# Altium PCB Arduino_UNO_Rev3_PCB_copy.PcbDoc (part 2 of 2)
Units mm, origin at the board's own origin, x right, y up, seen from the top; angles counter-clockwise.
Board outline 68.58 x 53.34 mm, 2 copper layers (L1, L2), stack 1.671 mm thick; 106 components, 71 nets, 323 pads, 96 vias.
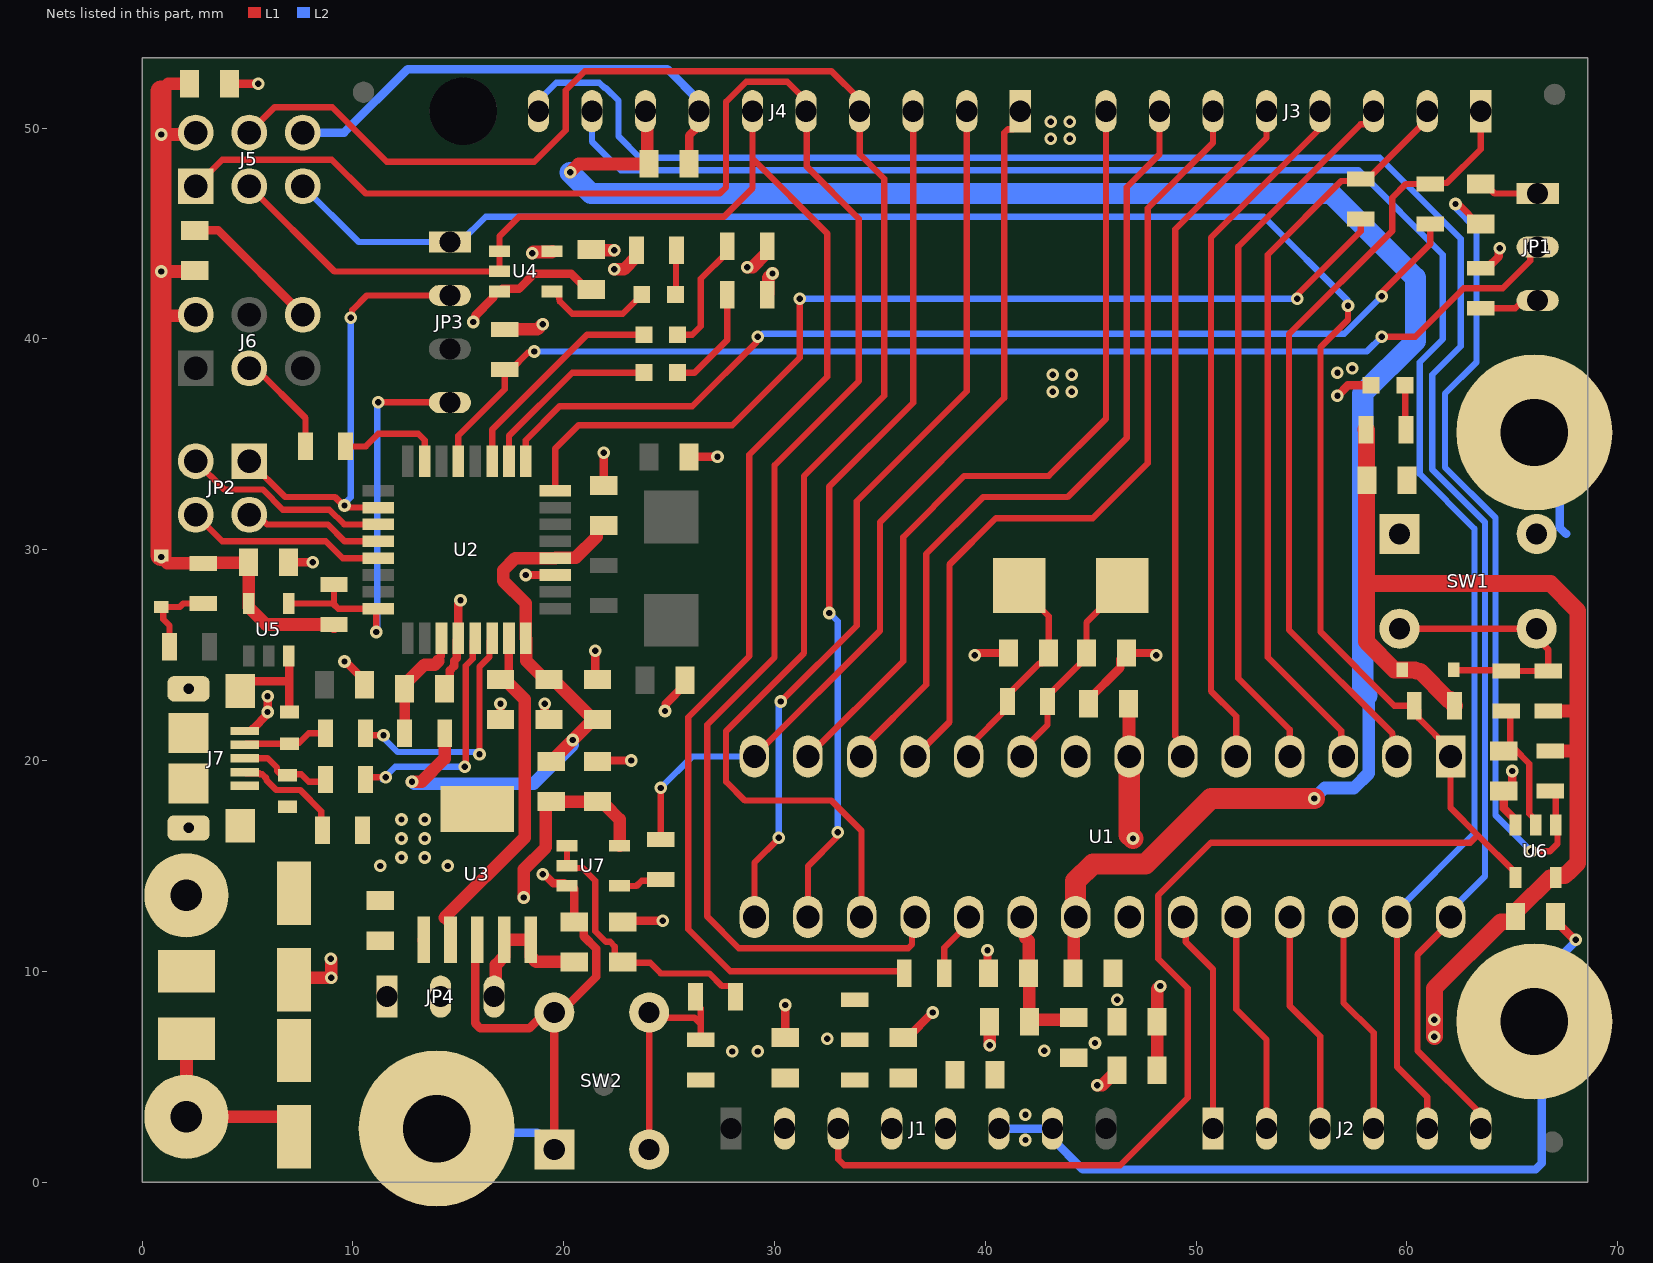
[diagram p2: the nets of this part, all layers, seen from the top]

## Via types
v1: diameter 0.6, hole 0.3, L1 to L2, 96 vias

## Nets (pads, with @x,y where several pads share a name; then routed paths per layer and width w, separated by ;. In a path a pad name is that pad's centre, name@x,y a point inside that pad or via, vN(x,y) a via of type N, cw(c..) or ccw(c..) an arc to the next point about the centre after c; other vN are vias at no path point) (continued)
16U2_PB4: JP2.1 JP3.2 U2.18 | length 21.3
  L1 w0.3: JP2.1@5.08,34.2 6.78,32.5 9.15,32.5 v1@9.575,32.075 ; v1@9.65,32 U2.18@11.2,32 ; v1(9.9,41) 9.957,41.057 9.957,41.357 10.66,42.06 JP3.2@14.6,42.06
  L2 w0.3: v1(9.6,32.1) 9.6,32.181 9.9,32.481 v1(9.9,41)
16U2_PB5: JP2.3 U2.19 | length 9.9
  L1 w0.3: JP2.3@2.54,34.2 3.88,32.86 5.713,32.86 6.673,31.9 8.881,31.9 9.581,31.2 U2.19@11.2,31.2
16U2_PB6: JP2.2 U2.20 | length 6.6
  L1 w0.3: JP2.2@5.08,31.66 5.459,31.66 5.919,31.2 8.8,31.2 9.6,30.4 U2.20@11.2,30.4
16U2_PB7: JP2.4 U2.21 | length 9.5
  L1 w0.3: JP2.4@2.54,31.66 3.8,30.4 8.71,30.4 9.51,29.6 U2.21@11.2,29.6
16U2_RESETn: JP3.4 R4.1 U2.24 U5.4 | length 20.9
  L1 w0.3: U5.4@6.95,27.45 9.05,27.45 9.1,27.4 ; R4.1@9.1,28.35 9.1,27.4 ; v1(11.1,26.1) 11.1,27.1 U2.24@11.2,27.2 11.075,27.325 10.95,27.2 9.3,27.2 9.1,27.4 ; v1(11.2,37) 11.21,36.99 14.59,36.99 JP3.4@14.6,36.98
  L2 w0.3: v1(11.1,26.1) 11.15,26.15 11.15,36.95 v1(11.2,37)
16U2_RX_LED: D4.1 U2.10 | length 8.8
  L1 w0.3: U2.10@17.4,34.2 17.4,35.4 20.4,38.4 D4.1@23.8,38.4
16U2_RXD: R11.1 U2.8 | length 46.8
  L1 w0.3: U2.8@19.6,32.8 19.6,34.8 20.7,35.9 28,35.9 31.2,39.1 v1(31.2,41.9) ; v1(54.8,41.9) 54.8,42.1 57.813,45.113 R11.1@57.813,45.688
  L2 w0.3: v1(31.2,41.9) v1(54.8,41.9)
16U2_SCLK: J6.3 R5.2 | length 5
  L1 w0.3: J6.3@5.08,38.608 5.392,38.608 7.75,36.25 R5.2@7.75,34.9
16U2_SCLK_R: R5.1 U2.15 | length 5.1
  L1 w0.3: R5.1@9.65,34.9 10.6,34.9 11.2,35.5 13.1,35.5 13.4,35.2 U2.15@13.4,34.2
16U2_TX_LED: D3.1 U2.11 | length 10.6
  L1 w0.3: U2.11@16.6,34.2 16.6,35.7 21.1,40.2 D3.1@23.8,40.2
16U2_TXD: R10.1 U2.9 | length 48.9
  L1 w0.3: U2.9@18.2,34.2 18.2,35.2 19.8,36.8 26.1,36.8 29.143,39.843 29.143,40.043 v1(29.2,40.1) ; v1(58.8,42.025) 58.8,42.2 61.1,44.5 R10.1@61.1,45.45
  L2 w0.3: v1(29.2,40.1) 29.281,40.1 29.431,40.25 57.025,40.25 v1(58.8,42.025)
16U2PROG_328P_RESETn: JP1.2 R1.1 U2.13 | length 56.9
  L1 w0.3: U2.13@15,34.2 15,35.412 17.2,37.613 R1.1@17.2,38.55 17.5,38.55 18.293,39.343 18.543,39.343 v1(18.6,39.4) ; v1(58.8,40.1) 60.4,40.1 62.7,42.4 64.545,42.4 65.85,43.705 65.85,44.037 66.173,44.36 JP1.2@66.2,44.36
  L2 w0.3: v1(18.6,39.4) 58.1,39.4 v1(58.8,40.1)
328P_16MHZ_XTAL1: C27.2 R16.1 U1.9 Y1.1 | length 10.1
  L1 w0.3: U1.9@41.745,20.193 41.745,20.493 42.95,21.698 R16.1@42.95,22.8 42.95,23.1 43.15,23.3 43.2,23.3 44.8,24.9 C27.2@44.8,25.1 44.8,26.55 46.5,28.25 Y1.1@46.5,28.3
328P_16MHZ_XTAL2: C25.2 R16.2 U1.10 Y1.2 | length 10.3
  L1 w0.3: U1.10@39.205,20.193 39.205,20.655 41.05,22.5 R16.2@41.05,22.8 41.05,23.1 42.55,24.6 42.7,24.6 43,24.9 C25.2@43,25.1 43,26.85 41.6,28.25 Y1.2@41.6,28.3
328P_AUTORESETn: C11.1 R18.1 U6.1 | length 39.1
  L1 w0.3: v1(62.3,46.4) 62.45,46.4 63.45,45.4 C11.1@63.5,45.45 ; v1(65.9,15.7) 66.787,15.7 67.143,16.055 67.143,16.857 U6.1@67.05,16.95 67.05,18.6 R18.1@67.1,18.65
  L2 w0.3: v1(62.3,46.4) 62.3,46.216 63.3,45.216 63.3,38.9 61.8,37.4 61.8,33.914 64.2,31.514 64.2,17.4 v1(65.9,15.7)
328P_BUF_RESETn: C32.2 R24.2 U6.2 | length 6
  L1 w0.3: R24.2@64.9,22.35 64.9,20.55 65.1,20.55 65.8,19.85 65.8,17.475 66.1,17.175 U6.2@66.1,16.95
328P_RESETn: J1.3 J5.5 JP3.1 R14.1 U1.1 U6.4 | length 131.1
  L1 w0.3: J1.3@33.02,2.54 33.02,1.08 33.3,0.8 46.4,0.8 49.6,4 49.6,9.2 48.2,10.6 48.2,13.6 50.7,16.1 63,16.1 63.362,16.462 ; v1(57.2,41.575) 57.2,40.9 55.9,39.6 55.9,26.1 59.4,22.6 R14.1@60.35,22.6 60.55,22.4 60.55,22.008 62.065,20.493 U1.1@62.065,20.193 62.065,17.76 63.362,16.462 ; U6.4@65.15,14.45 65.15,14.675 63.362,16.462
  L2 w0.3: J5.5@7.62,47.244 10.264,44.6 JP3.1@14.6,44.6 15.1,44.6 16.3,45.8 53.2,45.8 57.2,41.8 v1(57.2,41.575)
+3V3: C13.2 C16.2 J1.4 JP4.3 R28.2 U3.4 U3.5 | length 7.1
  L1 w0.6: JP4.3@16.7,8.8 16.777,8.877 16.777,10.307 17.17,10.7 U3.4@17.17,11.5 U3.5@18.44,11.5 18.44,10.7 18.69,10.45 C13.2@20.5,10.45
+3V3_16U2_UCAP: C7.2 R26.1 U2.27 | length 5.5
  L1 w0.4: 14.05,24.719 14.05,24.828 14.175,24.953 14.175,25.775 U2.27@14.2,25.8
  L1 w0.5: R26.1@12.45,21.3 C7.2@12.45,23.6
  L1 w0.6: C7.2@12.45,23.6 13.4,24.55 13.882,24.55 14.05,24.718 14.05,24.719
+5V: C6.1 C12.2 C14.2 CP2.1 J1.5 J8.1 JP4.1 L1.2 R27.1 U2.31 U3.1 U3.2 | length 26.3
  L1 w0.4: C6.1@17.2,23.85 17.4,24.05 U2.31@17.4,25.8
  L1 w0.6: L1.2@2.1,6.8 J8.1@2.1,3.1 6.7,3.1 7.2,2.6 CP2.1@7.2,2.15 ; JP4.1@11.42,9 JP4.1@11.62,8.8 ; U3.1@13.36,11.45 U3.1@13.36,11.5 ; U3.2@14.63,11.5 14.63,12.3 14.381,12.549 14.349,12.549 18.15,16.35 18.15,22.9 C6.1@17.2,23.85
+5V/3V3: C8.2 C15.2 C17.2 C26.2 C28.2 C29.2 C30.2 C34.2 D5.1 D6.1 FB1.1 FB2.1 FB3.1 J1.2 J5.2 J6.2 JP4.2 R1.2 R2.2 R3.2 R4.2 R14.2 R15,.2 R17.2 R18.2 R19.2 R20.2 R21.2 R27.2 R28.1 U4.5 U5.5 U6.5 U7.5 | length 112.3
  L1 w0.6: D5.1@0.9,29.719 v1(0.9,29.651) 1.201,29.35 R19.2@2.9,29.35 2.925,29.375 4.975,29.375 C30.2@5.05,29.3 ; 0.9,41.1 2.492,41.1 J6.2@2.54,41.148 J6.2@2.52,41.168 ; v1(0.9,43.2) 2.45,43.2 C8.2@2.5,43.25 C8.2@2.52,43.23 ; v1(0.9,49.7) 2.456,49.7 J5.2@2.54,49.784 ; 0.9,51.749 1.251,52.1 C17.2@2.25,52.1 ; C30.2@5.05,29.4 C30.2@5.05,29.3 ; R4.2@9.1,26.35 9,26.45 5.875,26.45 5.05,27.275 U5.5@5.05,27.45 C30.2@5.05,29.3 ; R1.2@17.2,40.45 18.75,40.45 v1(19,40.7) ; v1(18.1,13.5) 18.1,14.831 19.15,15.881 19.15,18 19.2,18.05 FB1.1@19.4,18.05 C29.2@21.6,18.05 21.75,17.9 21.95,17.9 22.65,17.2 U7.5@22.65,15.95 ; v1(18.5,44.065) 18.56,44.125 19.425,44.125 U4.5@19.45,44.15 ; C26.2@21.3,44.25 21.35,44.2 v1(22.4,44.2) ; v1(22.4,43.3) 22.85,43.3 23.45,43.9 23.45,44.2 ; v1(28.7,43.4) 28.95,43.4 29.6,44.05 29.6,44.35 R2.2@29.65,44.4 ; R3.2@29.65,42.1 29.7,42.15 29.7,42.9 v1(29.9,43.1) ; v1(40.2,6.5) FB3.1@40.2,7.6 ; v1(45.3,4.6) 45.55,4.6 FB2.1@46.25,5.3 ; R20.2@66.7,22.35 68.1,22.35 ; R18.2@66.8,20.45 68.1,20.45
  L1 w0.8: R17.2@58.05,35.7 58.075,35.675 58.075,28.4 ; v1(61.3,6.9) v1(61.3,7.7) 61.3,9.2 64.45,12.35 65.1,12.35 65.15,12.4 C28.2@65.15,12.6 ; R14.2@62.25,22.6 62.2,22.65 62.2,22.758 62.058,22.9 61.95,22.9 60.613,24.237 60.444,24.237 60.381,24.3 D6.1@59.781,24.3 59.408,24.3 58.075,25.633 58.075,28.4 ; C28.2@65.3,12.95 66.775,14.425 67.025,14.425 67.15,14.55 67.484,14.55 67.609,14.675 67.631,14.675 68.1,15.144 68.1,20.45 68.1,22.35 68.1,27.1 66.8,28.4 58.075,28.4
  L1 w1: D5.1@0.9,29.719 0.9,41.1 v1(0.9,43.2) v1(0.9,49.7) 0.9,51.749
  other v1: 28,6.2 29.2,6.2 32.5,6.8
+5V/3V3_16U2: C3.2 C4.2 C5.2 FB1.2 R26.2 U2.4 U2.32 | length 30.1
  L1 w0.6: v1(12.8,19) 13.262,19 14.35,20.088 R26.2@14.35,21.3 ; FB1.2@19.2,19.95 19.35,20.1 19.55,20.1 v1(20.425,20.975) C3.2@21.4,21.95 ; C3.2@21.6,21.95 C3.2@21.4,21.95 ; C5.2@21.9,31.15 21.7,31.15 21.55,31 21.55,30.607 20.568,29.625 19.625,29.625 U2.4@19.6,29.6 17.7,29.6 17.124,29.024 17.124,28.526 18.2,27.45 U2.32@18.2,25.8 18.225,25.775 18.225,24.725 18.95,24 19.15,24 C4.2@19.3,23.85 19.5,23.85 C3.2@21.4,21.95
  L2 w0.6: v1(12.8,19) 12.9,18.9 18.575,18.9 20.425,20.75 v1(20.425,20.975)
+5V/3V3_328P_AVCC: C22.2 C23.2 FB3.2 U1.20 | length 7.3
  L1 w0.6: U1.20@41.745,12.573 41.898,12.42 41.898,11.602 42.05,11.45 C23.2@42.05,9.9 42.075,9.875 42.075,7.625 FB3.2@42.1,7.6 42.2,7.7 44.1,7.7 C22.2@44.2,7.8
+5V/3V3_328P_VCC: C19.2 C20.2 FB2.2 U1.7 | length 10.5
  L1 w0.6: C20.2@46.8,22.7 46.812,22.688 U1.7@46.812,20.206 ; FB2.2@48.15,5.3 48.15,9.15 v1(48.3,9.3)
  L1 w1: U1.7@46.812,20.206 U1.7@46.825,20.193 46.825,16.475 v1(47,16.3)
+5V_USB: CP1.1 J7.1 L1.1 | length 4.4
  L1 w0.4: J7.1@5.25,21.5 5.95,22.2 v1(5.95,23.05)
  L1 w0.6: CP1.1@7.3,9.7 v1(8.975,9.7) v1@8.975,10.575
  other v1: 8.95,10.6 5.95,22.3
+AREF: C21.2 C24.2 J4.8 U1.21 | length 93.5
  L1 w0.6: v1(20.3,47.9) 20.7,48.3 23.9,48.3 23.9,48.4 23.963,48.463 23.953,48.473 23.953,50.723 J4.8@23.876,50.8 ; C24.2@44.15,10.05 44.2,10.1 U1.21@44.2,12.488
  L1 w1: U1.21@44.2,12.488 U1.21@44.285,12.573 44.285,14.285 45.1,15.1 47.6,15.1 50.7,18.2 v1(55.6,18.2)
  L2 w0.6: v1(55.6,18.2) 56.093,18.693 57.482,18.693 58.185,19.396 58.185,23.008 58.1,23.093
  L2 w1: v1(20.3,47.9) 21.3,46.9 56.4,46.9 60.4,42.9 60.4,39.9 57.9,37.4 57.9,23.293 58.1,23.093
AD0: J2.1 U1.23 | length 10.6
  L1 w0.3: U1.23@49.365,12.573 49.509,12.429 49.509,11.391 50.8,10.1 J2.1@50.8,2.54
AD1: J2.2 U1.24 | length 10.6
  L1 w0.3: U1.24@51.905,12.573 51.9,12.568 51.9,8.2 53.34,6.76 J2.2@53.34,2.54
AD2: J2.3 U1.25 | length 10.6
  L1 w0.3: U1.25@54.445,12.573 54.445,8.355 55.88,6.92 J2.3@55.88,2.54
AD3: J2.4 U1.26 | length 10.6
  L1 w0.3: U1.26@56.985,12.573 56.985,8.515 58.42,7.08 J2.4@58.42,2.54
AD4/SDA: J2.5 J4.9 U1.27 | length 89.1
  L1 w0.3: U1.27@59.525,12.573 59.525,5.475 60.96,4.04 J2.5@60.96,2.54
  L2 w0.3: J4.9@21.336,50.8 21.336,49.364 22.7,48 57.7,48 61.7,44 61.7,39.992 60.6,38.892 60.6,33.595 63.2,30.995 63.2,16.548 59.525,12.873 U1.27@59.525,12.573
AD5/SCL: J2.6 J4.10 U1.28 | length 95
  L1 w0.3: U1.28@62.065,12.573 62.065,12.365 60.5,10.8 60.5,6.229 63.422,3.308 63.424,3.308 63.424,2.616 J2.6@63.5,2.54
  L2 w0.3: J4.10@18.796,50.8 18.796,51.296 19.65,52.15 21.688,52.15 21.938,51.9 22,51.9 22.6,51.3 22.6,49.6 23.6,48.6 58.707,48.6 62.55,44.757 62.55,39.65 61.2,38.3 61.2,33.807 63.7,31.307 63.7,14.508 62.065,12.873 U1.28@62.065,12.573
BUTTON_RESETn: D6.2 R20.1 R24.1 SW1.3 SW1.4 | length 13.2
  L1 w0.3: SW1.3@59.65,26.25 SW1.4@66.15,26.25 66.15,25.817 66.7,25.267 R20.1@66.7,24.25 R24.1@64.7,24.25 64.675,24.275 62.244,24.275 D6.2@62.219,24.3
CON_USB_N: J7.2 R6.1 Z1.2 | length 3.9
  L1 w0.3: J7.2@4.875,20.75 4.925,20.8 6.65,20.8 6.7,20.85 7.45,20.85 7.9,21.3 R6.1@8.55,21.3
CON_USB_P: J7.3 R7.1 Z2.2 | length 4.2
  L1 w0.3: J7.3@4.875,20.1 5.95,20.1 6.4,19.65 6.4,19.5 6.55,19.35 6.7,19.35 7.55,19.35 7.9,19 R7.1@8.55,19
GND: C3.1 C4.1 C5.1 C6.2 C7.1 C8.1 C9.1 C10.1 C12.1 C13.1 C14.1 C15.1 C16.1 C17.1 C19.1 C20.1 C21.1 C22.1 C23.1 C24.1 C25.1 C26.1 C27.1 C28.1 C29.1 C30.1 C31.1 C32.1 C33.1 C34.1 CP1.2 CP2.2 D1.1 J1.6 J1.7 J4.7 J5.6 J6.6 J7.5 J7.6 J7.7 J7.8 J7.9 J7.10 J7.11 J9.1 MH1.1 MH2.1 MH3.1 R8.2 R12.1 SW1.1 SW1.2 SW2.1 SW2.2 U1.8 U1.22 U2.3 U2.28 U3.3 U3.6 U4.3 U5.3 U6.3 U7.3 Z1.1 Z2.1 | length 157
  L1 w0.4: C8.1@2.5,45.15 3.618,45.15 J6.6@7.62,41.148 ; C17.1@4.15,52.1 v1(5.5,52.1) ; J7.6@4.65,23.3 5.1,23.75 6.85,23.75 6.975,23.625 ; U5.3@6.95,24.95 6.975,24.925 6.975,23.625 ; C30.1@6.95,29.4 v1(8.1,29.4) ; Z1.1@7,22.3 6.975,22.325 6.975,23.625 ; v1(9.6,24.7) 9.65,24.7 10.55,23.8 C31.1@10.55,23.6 ; C7.1@14.35,23.4 14.6,23.65 14.6,24.278 14.8,24.478 14.8,24.73 14.925,24.855 14.925,25.725 U2.28@15,25.8 15,27.419 15.1,27.519 v1(15.1,27.6) ; v1(15.7,40.8) 15.7,40.854 15.8,40.954 15.8,41.1 16.65,41.95 16.65,42.175 16.725,42.25 U4.3@16.95,42.25 17.075,42.375 17.875,42.375 18.6,43.1 20.35,43.1 21.1,42.35 C26.1@21.3,42.35 ; U3.3@15.9,11.5 15.8,11.4 15.8,10 15.8,7.534 16.034,7.3 18.367,7.3 18.811,7.744 19.506,7.744 SW2.2@19.55,7.7 ; C6.2@17,21.95 v1(17,22.7) ; v1(18.2,28.8) U2.3@19.6,28.8 ; v1(19,14.6) 19.081,14.6 19.506,14.175 20.025,14.175 U7.3@20.15,14.05 20.375,14.05 20.5,13.925 C13.1@20.5,12.35 20.7,12.35 20.95,12.1 20.95,11.666 21.55,11.066 21.55,9.75 19.85,8.05 SW2.2@19.55,8.05 SW2.2@19.55,7.7 ; v1(19.1,22.7) 19.1,22.15 C4.1@19.3,21.95 ; SW2.1@19.55,1.55 SW2.2@19.55,7.7 ; v1(21.5,25.2) 21.5,23.95 C3.1@21.6,23.85 ; C29.1@21.6,19.95 21.65,20 v1(23.2,20) ; C5.1@21.9,33.05 v1(21.9,34.6) ; C33.1@22.8,12.35 22.85,12.4 v1(24.7,12.4) ; v1(24.8,22.35) 24.838,22.388 24.838,22.688 25.75,23.6 C10.1@25.75,23.8 ; C9.1@25.95,34.4 25.963,34.413 27.288,34.413 v1(27.295,34.405) ; C21.1@25.95,48.3 25.95,49.645 26.416,50.111 J4.7@26.416,50.8 ; C15.1@30.5,6.85 v1(30.5,8.4) ; C16.1@36.1,6.85 36.3,6.85 v1(37.5,8.05) ; v1(39.5,25) 39.6,25.1 C25.1@41.1,25.1 ; v1(40.1,11) 40.1,10.25 40.3,10.05 C23.1@40.15,9.9 ; v1(42.8,6.239) 42.8,6.231 v1@42.803,6.228 ; C20.1@44.9,22.7 44.9,22.9 46.4,24.4 46.4,24.8 C27.1@46.7,25.1 48,25.1 v1(48.1,25) ; v1(56.7,37.3) 57.2,37.8 D1.1@58.3,37.8 ; C34.1@59.9,33.2 C34.1@60,33.3 ; R12.1@63.5,43.35 63.8,43.35 64.362,43.912 64.362,44.262 v1(64.4,44.3) ; v1(65,19.5) 65,18.8 64.75,18.55 C32.1@64.6,18.55 64.6,17.725 65.15,17.175 U6.3@65.15,16.95 ; C28.1@67.05,12.6 67.05,12.4 67.95,11.5 v1(68,11.5)
  L2 w0.4: J5.6@7.62,49.784 9.584,49.784 12.6,52.8 24.916,52.8 26.416,51.3 J4.7@26.416,50.8 ; MH1.1@13.97,2.54 14.16,2.35 18.75,2.35 SW2.1@19.55,1.55 ; J1.6@40.64,2.54 J1.7@43.18,2.54 43.18,2.04 44.62,0.6 66.1,0.6 66.4,0.9 66.4,7.26 MH2.1@66.04,7.62 66.04,9.459 68,11.419 v1(68,11.5) ; v1@41.8,2 v1(41.9,2) ; v1(43.1,50.3) v1@43.1,50.4 ; MH3.1@66.04,35.56 67.244,34.356 67.244,31.056 67.55,30.75
  other v1: 41.9,3.2 45.2,6.6 46.25,8.65 11.3,15 14.5,15 12.3,15.4 13.4,15.4 12.3,16.3 13.4,16.3 12.3,17.2 13.4,17.2 43.2,37.5 44.1,37.5 43.2,38.3 44.1,38.3 56.7,38.4 57.4,38.6 43.1,49.5 44,49.5 44,50.3
IO0: J3.1 R10.2 U1.2 | length 37.1
  L1 w0.3: U1.2@59.525,20.193 59.315,20.403 59.315,21.285 54.4,26.2 54.4,40.219 59.3,45.119 59.3,46.7 59.95,47.35 R10.2@61.1,47.35 61.15,47.4 61.9,47.4 63.5,49 J3.1@63.5,50.3
IO1: J3.2 R11.2 U1.3 | length 35.9
  L1 w0.3: U1.3@56.985,20.193 56.883,20.295 56.883,21.417 53.4,24.9 53.4,44 56.889,47.489 58.039,47.489 60.96,50.41 J3.2@60.96,50.8
IO2: J3.3 U1.4 | length 34.5
  L1 w0.3: U1.4@54.445,20.193 54.433,20.205 54.433,21.467 52,23.9 52,44.38 57.798,50.178 58.097,50.178 58.42,50.502 J3.3@58.42,50.8
IO3: J3.4 U1.5 | length 33.3
  L1 w0.3: U1.5@51.905,20.193 51.905,22.095 50.7,23.3 50.7,44.8 55.746,49.846 55.746,50.666 J3.4@55.88,50.8
IO4: J3.5 U1.6 | length 32.6
  L1 w0.3: U1.6@49.365,20.193 49.365,20.791 49,21.156 49,45.2 53.34,49.54 J3.5@53.34,50.8
IO5: J3.6 U1.11 | length 39.2
  L1 w0.3: U1.11@36.665,20.193 36.665,20.195 37.326,20.856 37.328,20.856 38.3,21.828 38.3,29.3 40.5,31.5 45.1,31.5 47.7,34.1 47.7,46.2 50.8,49.3 J3.6@50.8,50.8
IO6: J3.7 U1.12 | length 38.8
  L1 w0.3: U1.12@34.125,20.193 34.125,20.525 37.2,23.6 37.2,29.8 39.9,32.5 43.9,32.5 46.7,35.3 46.7,47.2 48.26,48.76 J3.7@48.26,50.8
IO7: J3.8 U1.13 | length 38.8
  L1 w0.3: U1.13@31.585,20.193 31.585,20.195 36.1,24.71 36.1,30.6 39,33.5 43,33.5 45.72,36.22 J3.8@45.72,50.8
IO8: J4.1 R22.2 U1.14 | length 43.5
  L1 w0.3: R22.2@24.6,16.25 v1(24.6,18.7) ; U1.14@29.045,20.193 29.045,20.195 35,26.15 35,31.3 40.9,37.2 40.9,49.774 41.076,49.95 41.306,49.95 41.656,50.3 J4.1@41.656,50.8
  L2 w0.3: v1(24.6,18.7) 26.093,20.193 U1.14@29.045,20.193
IO9: J4.2 U1.15 | length 42.4
  L1 w0.3: U1.15@29.045,12.573 29.045,15.145 30.2,16.3 v1(30.2,16.344) ; v1(30.3,22.8) 33.9,26.4 33.9,32.3 39.116,37.516 J4.2@39.116,50.8
  L2 w0.3: v1(30.2,16.344) 30.2,22.7 v1(30.3,22.8)
MISO: J4.5 J5.1 U1.18 | length 89.6
  L1 w0.3: J5.1@2.54,47.244 3.796,48.5 9,48.5 10.6,46.9 27.4,46.9 27.7,47.2 27.7,51.246 28.654,52.2 30.596,52.2 31.496,51.3 J4.5@31.496,50.8 31.52,50.776 31.52,48.18 34,45.7 34,38 30,34 30,24.9 26.8,21.7 26.8,12.6 28.3,11.1 36.347,11.1 36.523,11.276 36.523,12.428 U1.18@36.665,12.57
MOSI: J4.4 J5.4 U1.17 | length 81.4
  L1 w0.3: J5.4@5.08,49.784 6.28,50.984 9.016,50.984 11.6,48.4 18.6,48.4 20.1,49.9 20.1,51.8 21,52.7 32.7,52.7 34.036,51.364 J4.4@34.036,50.8 34.036,48.764 35.2,47.6 35.2,37.3 31.4,33.5 31.4,25.1 27.7,21.4 27.7,19 28.6,18.1 32.7,18.1 34.125,16.675 U1.17@34.125,12.573
NetC11_2: C11.2 JP1.1 | length 2.9
  L1 w0.3: C11.2@63.5,47.35 63.7,47.35 64.15,46.9 JP1.1@66.2,46.9
NetD1_2: D1.2 R17.1 | length 2.1
  L1 w0.3: D1.2@59.9,37.8 59.925,37.775 59.925,35.725 R17.1@59.95,35.7
NetD2_1: D2.1 U4.4 | length 5.2
  L1 w0.3: U4.4@19.45,42.25 19.614,42.25 cw(c19.164,41.8) 19.8,41.8 19.878,41.722 20.4,41.2 22.8,41.2 D2.1@23.7,42.1
NetD2_2: D2.2 R15,.1 | length 2.1
  L1 w0.3: D2.2@25.3,42.1 25.325,42.125 25.325,44.175 25.35,44.2
NetD3_2: D3.2 R2.1 | length 5.6
  L1 w0.3: D3.2@25.4,40.2 26.1,40.2 26.5,40.6 26.5,42.85 27.75,44.1 R2.1@27.75,44.4
NetD4_2: D4.2 R3.1 | length 5.1
  L1 w0.3: D4.2@25.4,38.4 26.2,38.4 27.75,39.95 R3.1@27.75,42.1
NetD5_2: D5.2 R19.1 R23.1 | length 4.1
  L1 w0.3: R23.1@1.3,25.4 1.3,26.4 1,26.7 1,27.181 D5.2@0.9,27.281 1.781,27.281 1.95,27.45 R19.1@2.9,27.45
NetJ7_4: J7.4 R8.1 | length 5.4
  L1 w0.3: J7.4@4.875,19.45 4.925,19.4 5.555,19.4 5.605,19.35 5.694,19.35 5.9,19.145 5.9,19.056 6.355,18.6 7.5,18.6 8.5,17.6 8.5,16.75 R8.1@8.55,16.7
NetJP1_3: JP1.3 R12.2 | length 2.9
  L1 w0.3: R12.2@63.5,41.45 65.141,41.45 65.511,41.82 JP1.3@66.2,41.82
NetR22_1: R22.1 U7.4 | length 2.1
  L1 w0.3: U7.4@22.65,14.05 23.45,14.05 23.7,14.3 24.55,14.3 R22.1@24.6,14.35
SCK: J4.6 J5.3 R13.2 U4.1 U4.2 | length 83.7
  L1 w0.3: J5.3@5.08,47.244 9.124,43.2 U4.2@16.95,43.2 U4.1@16.95,44.15 16.95,44.875 17.875,45.8 27.6,45.8 28.956,47.156 28.956,48.544 ; J4.6@28.956,50.8 28.956,50.244 28.956,48.544 ; R13.2@36.15,9.9 36.05,10 27.9,10 25.9,12 25.9,22.055 28.8,24.955 28.8,34.5 32.5,38.2 32.5,45 28.956,48.544
SCK_R: R13.1 U1.19 | length 3.2
  L1 w0.3: R13.1@38.05,9.9 38.05,11.118 39.205,12.273 U1.19@39.205,12.573
SS: J4.3 U1.16 | length 40.6
  L1 w0.3: U1.16@31.585,12.573 31.585,14.985 33,16.4 v1(33,16.6) ; v1(32.6,27) 32.6,33 36.576,36.976 J4.3@36.576,50.8
  L2 w0.3: v1(32.6,27) 33,26.6 v1(33,16.6)
USB_N: R6.2 U2.30 | length 11.7
  L1 w0.3: R6.2@10.6,21.3 10.7,21.2 v1(11.45,21.2) ; v1(16,20.3) 16,24.445 16.475,24.92 16.475,25.675 U2.30@16.6,25.8
  L2 w0.3: v1@11.3,21.2 11.326,21.2 12.126,20.4 15.9,20.4 v1(16,20.3)
USB_P: R7.2 U2.29 | length 11.4
  L1 w0.3: R7.2@10.6,19.1 10.7,19.2 v1(11.55,19.2) ; v1(15.3,19.7) 15.35,19.75 15.35,24.502 15.675,24.827 15.675,25.675 U2.29@15.8,25.8
  L2 w0.3: v1@11.4,19.1 12,19.7 v1(15.3,19.7)
USER_BUTTON: R21.1 R25.1 SW2.3 SW2.4 | length 11.3
  L1 w0.3: SW2.3@24.05,1.55 SW2.4@24.05,8.05 24.3,7.8 26.2,7.8 26.5,7.5 ; R25.1@26.25,8.8 26.25,8.5 26.5,8.25 26.5,7.5 ; R21.1@26.5,6.75 26.5,7.5
USER_BUTTON_BUF: C33.2 R25.2 U7.1 U7.2 | length 13.3
  L1 w0.3: U7.1@20.15,15.95 U7.2@20.15,15 20.25,14.9 20.9,14.9 21.5,14.3 21.5,11.9 22,11.4 22.2,11.4 22.426,11.174 22.426,10.75 22.726,10.45 C33.2@22.8,10.45 22.85,10.4 24.1,10.4 24.6,9.9 26.909,9.9 27.509,9.3 27.95,9.3 28.15,9.1 R25.2@28.15,8.8
pads on no net: FID1.1 FID2.1 FID3.1 FID4.1 J1.1 J1.8 MH4.1 U2.5 U2.6 U2.7 U2.12 U2.14 U2.22 U2.23 U2.25 U2.26

## Polygon pours and split planes (outlines as drawn)
GND on L2 "GND_L02_P007" (solid, remove dead copper, pour order 7): 0.394,52.815 0.394,50.889 6.719,50.923 6.719,45.553 9.119,45.553 10.27,44.402 15.471,44.657 18.654,48.5 18.654,49.78 24.068,49.78 24.099,49 63.676,49 63.676,39 16.255,39 16.255,41.967 6.719,42.082 6.719,13.951 22.519,13.951 26.7,7.7 36.4,7.7 39.519,0.115 68.319,0.115 68.319,52.815
+5V/3V3 on L2 "+5V/3V3_L02_P005" (solid, remove dead copper, pour order 5): 0.168,50.832 0.168,29.532 0.168,5.604 8.868,6.032 14.968,7.532 14.968,10.932 15.268,11.232 20.968,11.232 22.168,10.032 22.168,7.832 24.268,5.732 35.768,5.732 37.268,4.232 61.568,4.232 61.868,4.532 61.868,8.3 57.2,8.3 54.632,5.732 42.468,5.732 40.668,7.532 39.883,7.532 39.5,7.532 36.8,7.532 35.878,7.532 26.5,7.532 22.168,13.832 22.168,13.932 8.968,13.832 6.368,19.532 6.268,36.432 6.268,37.232 6.368,37.332 6.368,50.832
+5V/3V3 on L2 "+5V/3V3_L02_P006" (solid, remove dead copper, pour order 6): 6.3,45.1 30.291,45.1 30.311,42.3 22.2,42.3 22.2,39.893 16.5,39.893 16.5,42.5 6.3,42.5
+5V/3V3_328P_VCC on L2 "+5V/3V3_328P_VCC_L02_P001" (solid, remove dead copper, pour order 1): 46.524,15.7 46.543,16.683 47.2,17.2 47.366,17.2 50.2,17.2 50.8,16.683 50.8,9.9 49.584,8.684 47.916,8.684 47.916,8.725 47.668,8.973 47.668,10.319 47.668,14.304
+3V3 on L2 "+3V3_L02_P003" (solid, remove dead copper, pour order 3): 15.4,7.5 15.4,10.8 20.6,10.8 21.7,9.7 21.7,7.9 24.2,5.4 35.8,5.4 36.7,4.5 36.7,1.8 36.4,1.5 34.5,1.5 34,2 34,3.4 33.6,3.8 21.6,3.8 17.9,7.5
+5V_USB on L2 "+5V_USB_L02_P004" (solid, remove dead copper, pour order 4): 5.4,21.825 5.4,23.7 5.425,23.725 6.2,23.725 6.875,23.05 6.875,16.3 8.7,14.475 9.375,14.475 9.875,13.975 9.875,9.725 9.25,9.1 8.425,9.1 8.275,9.25 8.275,13.15 5.9,15.525 5.9,21.325
+5V on L2 "+5V_L02_P002" (solid, remove dead copper, pour order 2): 0.3,0.3 39.2,0.3 39.2,3.8 36.9,3.8 36.9,1.8 36.4,1.3 26.939,1.3 25.139,3.6 21.6,3.6 17.8,7.4 13.5,7.4 12.15,8.75 12.15,9.8 11.1,9.8 11.1,8.7 8.8,6.4 0.3,6.4
GND on L1 "GND_L01_P021" (solid, remove dead copper, pour order 21): 0.7,11.3 9.7,11.3 9.7,7.9 9.6,7.8 4.6,7.8 4.6,5.2 5.8,4 8.1,4 9.5,2.6 9.5,0.3 20.8,0.3 20.8,2.7 20.4,2.7 19.7,3.4 19.7,6.9 19.9,6.9 20.7,7.7 20.7,9.4 18.3,9.4 17.8,8.9 17.8,7.5 10.9,7.5 10.9,12.2 11.8,12.2 12.7,13.1 14.1,13.1 17.1,16.1 17.1,19 14.2,19 13.1,17.9 9.7,17.9 9.7,16.2 9.4,15.9 7.8,15.9 7.8,17.6 7.3,18.1 6.4,18.1 5.5,19 4.2,19 4.2,22.5 5.4,22.5 5.4,24.2 0.6,24.2 0.6,11.4
GND on L1 "GND_L01_P020" (solid, remove dead copper, pour order 20): 42.5,51.1 44.8,51.1 44.8,37 42.5,37
GND on L1 "GND_L01_P019" (solid, remove dead copper, pour order 19): 68.3,40.6 61.5,40.6 60.4,39.5 56.9,39.5 56.2,38.8 56.2,36.9 56.6,36.5 58.9,36.5 58.9,32.2 58.6,31.9 58.6,29.5 68.3,29.5
GND on L1 "GND_L01_P018" (solid, remove dead copper, pour order 18): 41.2,6 42,6 42.6,6.6 44.6,6.6 45.4,7.4 45.4,14 47.7,14 47.7,11.7 47,11 47,6.6 46.4,6 45.6,6 44,4.4 44,3.3 41.7,3.6 41.2,4.1
+5V on L1 "+5V_L01_P014" (solid, remove dead copper, pour order 14): 37.5,1.4 38.7,1.4 38.7,4.3 39.2,4.3 39.2,5.9 38.7,5.9 38.7,8.5 38.2,9 33,9 33,8.2 33.877,8.2 36.191,8.2 37.621,8.2 37.621,6.954 37.5,6.891 37.5,3.393 37.491,3.384
GND on L1 "GND_L01_P015" (solid, remove dead copper, pour order 15): 39.8,6 39.8,1.6 40.1,1.3 43.7,1.3 44,1.6 44,3.6 43.6,4 41.6,4 41.2,4.4 41.2,6
+5V/3V3_328P_AVCC on L1 "+5V/3V3_328P_AVCC_L01_P016" (solid, remove dead copper, pour order 16): 40.7,13.9 42.8,13.9 42.8,8.9 43.2,8.5 45.2,8.5 45.2,7.3 45,7.1 43.1,7.1 42.8,6.8 41.4,6.8 41.2,7 41.2,11.2 40.7,11.7
+3V3 on L1 "+3V3_L01_P013" (solid, remove dead copper, pour order 13): 33,4.3 34.4,4.3 34.9,3.8 34.9,1.5 36.3,1.5 36.3,3.7 36.9,4.3 36.9,5.5 33,5.5
+5V/3V3 on L1 "+5V/3V3_L01_P012" (solid, remove dead copper, pour order 12): 25.7,5.3 25.7,4.3 28.8,4.3 29.7,3.4 29.7,1.4 31.2,1.4 31.2,4 31.8,4.6 31.8,5.5 32.3,6 34.6,6 34.6,7.3 32.1,7.3 31.5,6.7 31.5,6.2 29.9,6.2 29.4,6.7 27.8,6.7 26.4,5.3
+5V on L1 "+5V_L01_P011" (solid, remove dead copper, pour order 11): 11,7.7 12.2,7.7 12.2,9.5 13,10.3 15,10.3 15,12.7 14.9,12.8 12.8,12.8 12,12 10.6,12 10.6,10.9 11,10.5
+5V_USB on L1 "+5V_USB_L01_P010" (solid, remove dead copper, pour order 10): 0.7,11.1 9.5,11.1 9.5,9.3 8.2,8 4.6,8 3.7,8.9 0.7,8.9
+5V on L1 "+5V_L01_P009" (solid, remove dead copper, pour order 9): 0.7,7.9 3.5,7.9 3.5,5.2 5,3.7 8.1,3.7 8.1,0.6 1.3,0.6 0.3,1.6 0.3,5.4 0.7,5.8

## Silkscreen, mask and mechanical layers (free items; w line width, h text height)
Top Overlay:
  text "ICSP" at 5.1,44.6 h1
  text "ARDUINO UNO Rev3" at 37.6,42.8 h1
  text "ICSP1" at 9.3,42.2 h1 r270
  text "by Ivan Hotovec" at 38.3,40.633 h1
  text "TX_LED" at 26.5,39.4 h1
  text "RX_LED" at 26.7,37.967 h1
  text "3" at 0.3,34 h1
  text "4" at 0.4,31.3 h1
  text "2" at 6.7,31.3 h1
  text "RESET" at 58,25.9 h1 r90
  text "14" at 29.4,22.3 h1 r90
  text "10" at 39.6,22.1 h1 r90
  text "5" at 52.4,22 h1 r90
  text "16" at 32.1,9.3 h1 r90
  text "25" at 55,9 h1 r90
  text "USER" at 18.6,3 h1 r90
Bottom Overlay:
  lines w0.5: 16.25,36.75 17,36.75 17,39.5 16.25,39.5
  text "AD5/SCL" at 19.434,49 h2.2 r90
  text "AD4/SDA" at 21.934,49 h2.2 r90
  text "AREF+" at 24.408,49 h2.2 r90
  text "GND" at 27.184,49 h2.2 r90
  text "13" at 29.666,49 h2.2 r90
  text "12" at 32.166,49 h2.2 r90
  text "11~" at 34.666,49 h2.2 r90
  text "10~" at 37.166,49 h2.2 r90
  text "9~" at 39.666,49 h2.2 r90
  text "8" at 42.416,49 h2.2 r90
  text "7" at 46.39,49 h2.2 r90
  text "6~" at 48.916,49 h2.2 r90
  text "5~" at 51.64,49 h2.2 r90
  text "4" at 54.164,49 h2.2 r90
  text "3~" at 56.666,49 h2.2 r90
  text "2" at 59.166,49 h2.2 r90
  text "1 TX (OUT)" at 61.684,49 h2.2 r90
  text "0 RX (IN)" at 64.182,49 h2.2 r90
  text "dW/PROG/ISP" at 12.934,47.5 h2.2 r90
  text "-" at 3.35,10.75 h2.2 r90
  text "3V3/5V" at 31.182,10.25 h2.2 r90
  text "RESET" at 33.684,10.25 h2.2 r90
  text "+3V3" at 36.166,8.5 h2.2 r90
  text "GND" at 41.434,8.25 h2.2 r90
  text "+" at 3.333,7.5 h2.2 r90
  text "+5V" at 38.908,7.5 h2.2 r90
  text "NC" at 43.934,6.75 h2.2 r90
  text "NC" at 46.434,6.75 h2.2 r90
  text "NC" at 28.684,6.5 h2.2 r90
  text "A0" at 51.416,6.5 h2.2 r90
  text "A1" at 53.916,6.5 h2.2 r90
  text "A2" at 56.666,6.5 h2.2 r90
  text "A3" at 59.166,6.5 h2.2 r90
  text "A4" at 61.664,6.5 h2.2 r90
  text "A5" at 66.908,3.75 h2.2 r90

## Text inside footprints (layer, text, board x,y; h text height)
D1: Top Assembly "String" at 57.726,37.675 h0.7
D2: Top Assembly "String" at 23.126,41.975 h0.7
D3: Top Assembly "String" at 23.226,40.075 h0.7
D4: Top Assembly "String" at 23.226,38.275 h0.7
J1: Top Overlay "1" at 28.248,0.454 h1 r90
J2: Top Overlay "1" at 51.108,0.454 h1 r90
J3: Top Overlay "1" at 63.9,52.6 h1 r90
J4: Top Overlay "1" at 42.1,52.6 h1 r90
J5: Top Overlay "1" at 0.5,46.7 h1
J6: Top Overlay "1" at 0.6,37.9 h1
JP1: Top Overlay "1" at 68.1,46.7 h1
JP2: Top Overlay "1" at 5.5,35.9 h1
JP3: Top Overlay "1" at 16.3,45 h1
JP4: Top Overlay "1" at 9.7,8.3 h1
U4: Top Assembly "String" at 17.433,44.5 h1 r270
U5: Top Assembly "String" at 4.7,25.433 h1
U6: Top Assembly "String" at 67.4,16.467 h1 r180
U7: Top Assembly "String" at 20.633,16.3 h1 r270